# Altium PCB power-v3.2.PcbDoc (part 1 of 3) (continued)
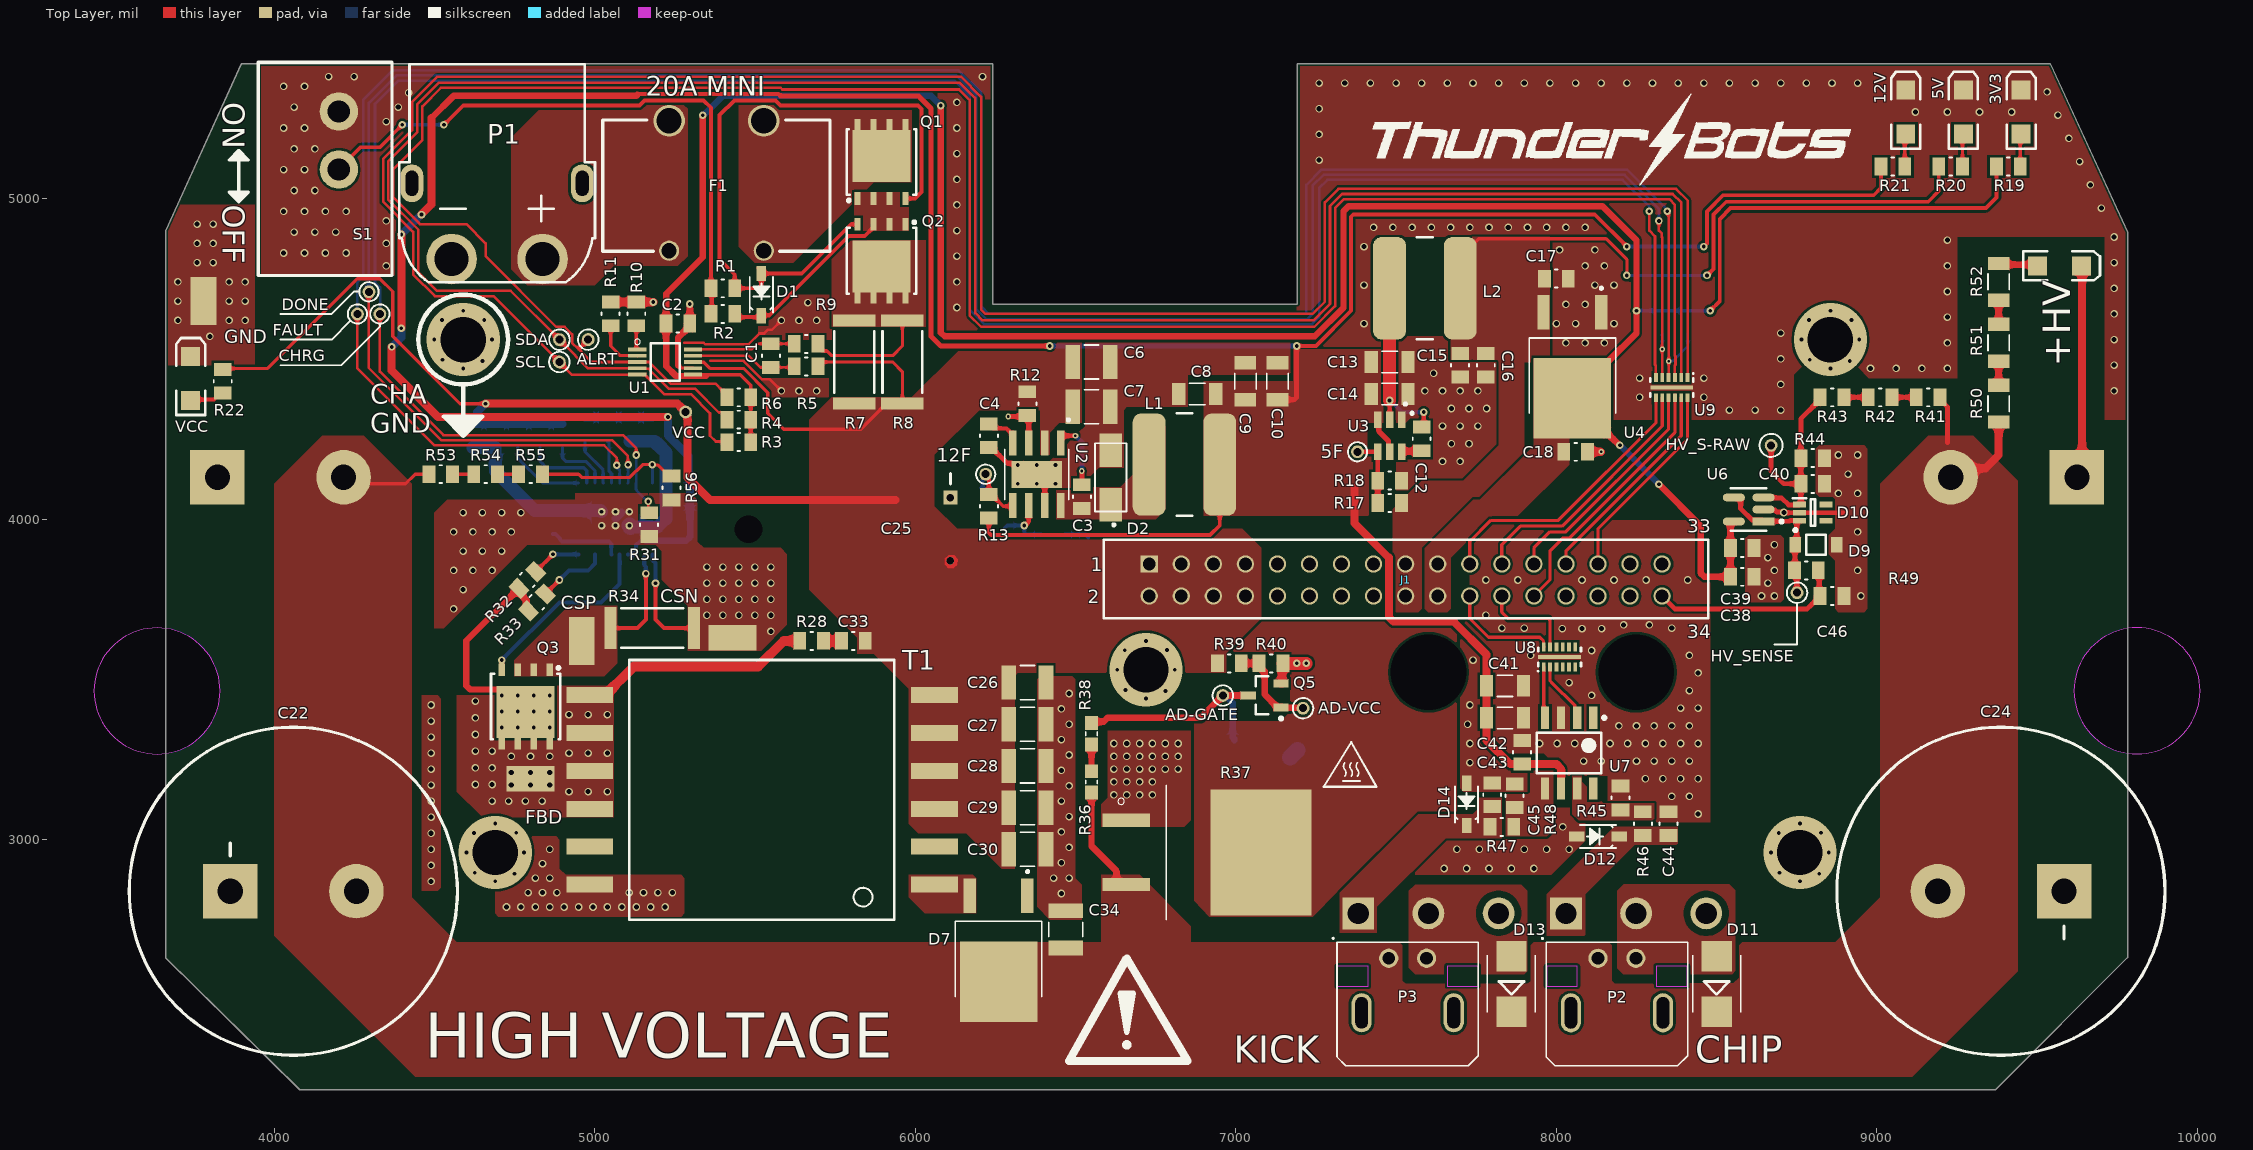
[diagram p0: Top Layer view]
## Design rules (kind name [scope] priority, off if disabled: settings) (continued)
PolygonConnect PolygonConnect_36 [All vs IsNamedPolygon('+HV_L01_P166') Or IsNamedPolygon('+HV_L01_P169') Or IsNamedPolygon('+HV_L01_P187') Or IsNamedPolygon('+HV_L01_P198') Or IsNamedPolygon('+HV_L01_P200') Or IsNamedPolygon('+VBAT_L01_P195') Or IsNamedPolygon('3V3_L01_P175') Or IsNamedPolygon('5V_L01_P173') Or IsNamedPolygon('5V_L01_P174') Or IsNamedPolygon('12V_L01_P172') Or IsNamedPolygon('CHIP_GATE_L01_P206') Or IsNamedPolygon('GND_L01_P165') Or IsNamedPolygon('GND_L01_P176') Or IsNamedPolygon('GND_L01_P178') Or IsNamedPolygon('GND_L01_P183') Or IsNamedPolygon('GND_L01_P185') Or IsNamedPolygon('GND_L01_P190') Or IsNamedPolygon('GND_L01_P196') Or IsNamedPolygon('GND_L01_P204') Or IsNamedPolygon('GND_L01_P208') Or IsNamedPolygon('GND_L01_P212') Or IsNamedPolygon('GND_L01_P213') Or IsNamedPolygon('GND_L01_P214') Or IsNamedPolygon('GND_L01_P218') Or IsNamedPolygon('GND_L01_P218') Or IsNamedPolygon('GND_L01_P219') Or IsNamedPolygon('GND_L01_P220') Or IsNamedPolygon('GND_L01_P225') Or IsNamedPolygon('GND_L01_P226') Or IsNamedPolygon('GND_L01_P219') Or IsNamedPolygon('GND_L01_P224') Or IsNamedPolygon('GND_L01_P237') Or IsNamedPolygon('KICK_GATE_L01_P205') Or IsNamedPolygon('LT_CSP_L01_P171') Or IsNamedPolygon('NETC3_2_L01_P238') Or IsNamedPolygon('NETC44_2_L01_P216') Or IsNamedPolygon('NETC45_2_L01_P219') Or IsNamedPolygon('NETD1_C_L01_P194') Or IsNamedPolygon('NETD7_IN_L01_P182') Or IsNamedPolygon('NETD11_A_L01_P202') Or IsNamedPolygon('NETD13_A_L01_P201') Or IsNamedPolygon('NETF1_1_L01_P192') Or IsNamedPolygon('NETQ3_D_L01_P177') Or IsNamedPolygon('NETQ4_D_L01_P189') Or IsNamedPolygon('NETR36_3_L01_P221') Or IsNamedPolygon('VCC_L01_P170') Or IsNamedPolygon('VCC_L01_P209') Or IsNamedPolygon('VCC_L01_P211') Or IsNamedPolygon('VCC_L01_P239') Or IsNamedPolygon('VCC_RPP_L01_P195') Or IsNamedPolygon('GND_L02_P167') Or IsNamedPolygon('GND_L02_P168') Or IsNamedPolygon('GND_L02_P193') Or IsNamedPolygon('GND_L02_P197') Or IsNamedPolygon('GND_L02_P199') Or IsNamedPolygon('GND_L02_P203') Or IsNamedPolygon('NETD8_C_L02_P186')] p8: connectstyle=Direct reliefconductorwidth=10 reliefentries=4 polygonreliefangle="90 Angle" airgapwidth=10
PolygonConnect PolygonConnect_35 [All vs IsNamedPolygon('3V3_L01_P235') Or IsNamedPolygon('GND_L01_P219') Or IsNamedPolygon('GND_L01_P224')] p9: connectstyle=Direct reliefconductorwidth=10 reliefentries=4 polygonreliefangle="90 Angle" airgapwidth=10
PolygonConnect PolygonConnect_34 [All vs IsNamedPolygon('3V3_L01_P232') Or IsNamedPolygon('GND_L01_P230') Or IsNamedPolygon('GND_L01_P231') Or IsNamedPolygon('HV-SENSE_L01_P233')] p10: connectstyle=Direct reliefconductorwidth=10 reliefentries=4 polygonreliefangle="90 Angle" airgapwidth=10
PolygonConnect PolygonConnect_33 [All vs IsNamedPolygon('GND_L01_P230')] p11: connectstyle=Direct reliefconductorwidth=10 reliefentries=4 polygonreliefangle="90 Angle" airgapwidth=10
PolygonConnect PolygonConnect_32 [All vs IsNamedPolygon('GND_L01_P226')] p12: connectstyle=Direct reliefconductorwidth=10 reliefentries=4 polygonreliefangle="90 Angle" airgapwidth=10
PolygonConnect PolygonConnect_31 [All vs IsNamedPolygon('+HV_L01_P166') Or IsNamedPolygon('+HV_L01_P169') Or IsNamedPolygon('+HV_L01_P187') Or IsNamedPolygon('+HV_L01_P198') Or IsNamedPolygon('+HV_L01_P200') Or IsNamedPolygon('+VBAT_L01_P195') Or IsNamedPolygon('3V3_L01_P175') Or IsNamedPolygon('5V_L01_P173') Or IsNamedPolygon('5V_L01_P174') Or IsNamedPolygon('12V_L01_P172') Or IsNamedPolygon('CHIP_GATE_L01_P206') Or IsNamedPolygon('GND_L01_P165') Or IsNamedPolygon('GND_L01_P176') Or IsNamedPolygon('GND_L01_P178') Or IsNamedPolygon('GND_L01_P180') Or IsNamedPolygon('GND_L01_P183') Or IsNamedPolygon('GND_L01_P185') Or IsNamedPolygon('GND_L01_P190') Or IsNamedPolygon('GND_L01_P196') Or IsNamedPolygon('GND_L01_P204') Or IsNamedPolygon('GND_L01_P207') Or IsNamedPolygon('GND_L01_P208') Or IsNamedPolygon('GND_L01_P212') Or IsNamedPolygon('GND_L01_P213') Or IsNamedPolygon('GND_L01_P214') Or IsNamedPolygon('GND_L01_P218') Or IsNamedPolygon('KICK_GATE_L01_P205') Or IsNamedPolygon('LT_CSP_L01_P171') Or IsNamedPolygon('NETC3_2_L01_P181') Or IsNamedPolygon('NETC3_2_L01_P210') Or IsNamedPolygon('NETC44_2_L01_P216') Or IsNamedPolygon('NETC45_2_L01_P219') Or IsNamedPolygon('NETD1_C_L01_P194') Or IsNamedPolygon('NETD7_IN_L01_P182') Or IsNamedPolygon('NETD11_A_L01_P202') Or IsNamedPolygon('NETD13_A_L01_P201') Or IsNamedPolygon('NETF1_1_L01_P192') Or IsNamedPolygon('NETQ3_D_L01_P177') Or IsNamedPolygon('NETQ4_D_L01_P189') Or IsNamedPolygon('NETR36_3_L01_P221') Or IsNamedPolygon('VCC_L01_P170') Or IsNamedPolygon('VCC_L01_P179') Or IsNamedPolygon('VCC_L01_P209') Or IsNamedPolygon('VCC_L01_P211') Or IsNamedPolygon('VCC_RPP_L01_P195') Or IsNamedPolygon('GND_L02_P167') Or IsNamedPolygon('GND_L02_P168') Or IsNamedPolygon('GND_L02_P193') Or IsNamedPolygon('GND_L02_P197') Or IsNamedPolygon('GND_L02_P199') Or IsNamedPolygon('GND_L02_P203') Or IsNamedPolygon('NETD8_C_L02_P186')] p13: connectstyle=Direct reliefconductorwidth=10 reliefentries=4 polygonreliefangle="90 Angle" airgapwidth=10
PolygonConnect PolygonConnect_30 [All vs IsNamedPolygon('+HV_L01_P166') Or IsNamedPolygon('+HV_L01_P169') Or IsNamedPolygon('+HV_L01_P187') Or IsNamedPolygon('+HV_L01_P200') Or IsNamedPolygon('+HV_L01_P200') Or IsNamedPolygon('+VBAT_L01_P195') Or IsNamedPolygon('3V3_L01_P175') Or IsNamedPolygon('5V_L01_P173') Or IsNamedPolygon('5V_L01_P174') Or IsNamedPolygon('12V_L01_P172') Or IsNamedPolygon('CHIP_GATE_L01_P207') Or IsNamedPolygon('GND_L01_P165') Or IsNamedPolygon('GND_L01_P176') Or IsNamedPolygon('GND_L01_P178') Or IsNamedPolygon('GND_L01_P180') Or IsNamedPolygon('GND_L01_P183') Or IsNamedPolygon('GND_L01_P185') Or IsNamedPolygon('GND_L01_P190') Or IsNamedPolygon('GND_L01_P196') Or IsNamedPolygon('GND_L01_P205') Or IsNamedPolygon('GND_L01_P207') Or IsNamedPolygon('GND_L01_P209') Or IsNamedPolygon('GND_L01_P213') Or IsNamedPolygon('GND_L01_P213') Or IsNamedPolygon('GND_L01_P215') Or IsNamedPolygon('GND_L01_P216') Or IsNamedPolygon('GND_L01_P217') Or IsNamedPolygon('KICK_GATE_L01_P206') Or IsNamedPolygon('LT_CSP_L01_P171') Or IsNamedPolygon('NETC3_2_L01_P181') Or IsNamedPolygon('NETC3_2_L01_P210') Or IsNamedPolygon('NETC44_2_L01_P184') Or IsNamedPolygon('NETC45_2_L01_P188') Or IsNamedPolygon('NETD1_C_L01_P194') Or IsNamedPolygon('NETD7_IN_L01_P182') Or IsNamedPolygon('NETD11_A_L01_P204') Or IsNamedPolygon('NETD13_A_L01_P202') Or IsNamedPolygon('NETF1_1_L01_P192') Or IsNamedPolygon('NETQ3_D_L01_P177') Or IsNamedPolygon('NETQ4_D_L01_P189') Or IsNamedPolygon('NETR36_3_L01_P198') Or IsNamedPolygon('VCC_L01_P170') Or IsNamedPolygon('VCC_L01_P179') Or IsNamedPolygon('VCC_L01_P209') Or IsNamedPolygon('VCC_L01_P212') Or IsNamedPolygon('VCC_RPP_L01_P195') Or IsNamedPolygon('GND_L02_P167') Or IsNamedPolygon('GND_L02_P168') Or IsNamedPolygon('GND_L02_P193') Or IsNamedPolygon('GND_L02_P197') Or IsNamedPolygon('GND_L02_P199') Or IsNamedPolygon('GND_L02_P203') Or IsNamedPolygon('NETD8_C_L02_P186')] p14: connectstyle=Direct reliefconductorwidth=10 reliefentries=4 polygonreliefangle="90 Angle" airgapwidth=10
PolygonConnect PolygonConnect_29 [All vs IsNamedPolygon('GND_L01_P165') Or IsNamedPolygon('+HV_L01_P166') Or IsNamedPolygon('+HV_L01_P169') Or IsNamedPolygon('VCC_L01_P170') Or IsNamedPolygon('LT_CSP_L01_P171') Or IsNamedPolygon('GND_L01_P172') Or IsNamedPolygon('NETQ3_D_L01_P177') Or IsNamedPolygon('12V_L01_P174') Or IsNamedPolygon('GND_L01_P175') Or IsNamedPolygon('5V_L01_P176') Or IsNamedPolygon('5V_L01_P177') Or IsNamedPolygon('3V3_L01_P178') Or IsNamedPolygon('VCC_L01_P179') Or IsNamedPolygon('GND_L01_P180') Or IsNamedPolygon('NETC3_2_L01_P181') Or IsNamedPolygon('NETD7_IN_L01_P182') Or IsNamedPolygon('GND_L01_P183') Or IsNamedPolygon('NETC44_2_L01_P184') Or IsNamedPolygon('GND_L01_P185') Or IsNamedPolygon('+HV_L01_P187') Or IsNamedPolygon('NETC45_2_L01_P188') Or IsNamedPolygon('NETQ4_D_L01_P189') Or IsNamedPolygon('GND_L01_P190') Or IsNamedPolygon('+VBAT_L01_P195') Or IsNamedPolygon('NETF1_1_L01_P192') Or IsNamedPolygon('NETD1_C_L01_P194') Or IsNamedPolygon('VCC_RPP_L01_P195') Or IsNamedPolygon('GND_L01_P196') Or IsNamedPolygon('NETR36_3_L01_P198') Or IsNamedPolygon('+HV_L01_P200') Or IsNamedPolygon('+HV_L01_P200') Or IsNamedPolygon('NETD13_A_L01_P202') Or IsNamedPolygon('NETD11_A_L01_P204') Or IsNamedPolygon('GND_L01_P205') Or IsNamedPolygon('KICK_GATE_L01_P206') Or IsNamedPolygon('CHIP_GATE_L01_P207') Or IsNamedPolygon('GND_L01_P207') Or IsNamedPolygon('GND_L01_P209') Or IsNamedPolygon('VCC_L01_P209') Or IsNamedPolygon('NETC3_2_L01_P210') Or IsNamedPolygon('VCC_L01_P212') Or IsNamedPolygon('GND_L01_P213') Or IsNamedPolygon('GND_L01_P213') Or IsNamedPolygon('GND_L01_P215') Or IsNamedPolygon('GND_L01_P216') Or IsNamedPolygon('GND_L01_P217') Or IsNamedPolygon('GND_L02_P167') Or IsNamedPolygon('GND_L02_P168') Or IsNamedPolygon('NETD8_C_L02_P186') Or IsNamedPolygon('GND_L02_P193') Or IsNamedPolygon('GND_L02_P197') Or IsNamedPolygon('GND_L02_P199') Or IsNamedPolygon('GND_L02_P203')] p15: connectstyle=Direct reliefconductorwidth=10 reliefentries=4 polygonreliefangle="90 Angle" airgapwidth=10
PolygonConnect PolygonConnect_28 [All vs IsNamedPolygon('GND_L01_P157')] p16: connectstyle=Direct reliefconductorwidth=10 reliefentries=4 polygonreliefangle="90 Angle" airgapwidth=10
PolygonConnect PolygonConnect_27 [All vs IsNamedPolygon('VCC_L01_P156')] p17: connectstyle=Direct reliefconductorwidth=10 reliefentries=4 polygonreliefangle="90 Angle" airgapwidth=10
PolygonConnect PolygonConnect_26 [All vs IsNamedPolygon('+HV_L01_P108') Or IsNamedPolygon('+HV_L01_P111') Or IsNamedPolygon('+HV_L01_P127') Or IsNamedPolygon('+HV_L01_P141') Or IsNamedPolygon('+HV_L01_P140') Or IsNamedPolygon('+VBAT_L01_P133') Or IsNamedPolygon('3V3_L01_P119') Or IsNamedPolygon('5V_L01_P117') Or IsNamedPolygon('5V_L01_P118') Or IsNamedPolygon('12V_L01_P115') Or IsNamedPolygon('CHIP_GATE_L01_P149') Or IsNamedPolygon('GND_L01_P107') Or IsNamedPolygon('GND_L01_P116') Or IsNamedPolygon('GND_L01_P121') Or IsNamedPolygon('GND_L01_P125') Or IsNamedPolygon('GND_L01_P127') Or IsNamedPolygon('GND_L01_P132') Or IsNamedPolygon('GND_L01_P137') Or IsNamedPolygon('GND_L01_P146') Or IsNamedPolygon('GND_L01_P147') Or IsNamedPolygon('GND_L01_P151') Or IsNamedPolygon('GND_L01_P152') Or IsNamedPolygon('KICK_GATE_L01_P148') Or IsNamedPolygon('LT_CSP_L01_P113') Or IsNamedPolygon('NETC3_2_L01_P123') Or IsNamedPolygon('NETC3_2_L01_P155') Or IsNamedPolygon('NETC44_2_L01_P126') Or IsNamedPolygon('NETC45_2_L01_P129') Or IsNamedPolygon('NETD1_C_L01_P134') Or IsNamedPolygon('NETD7_IN_L01_P124') Or IsNamedPolygon('NETD11_A_L01_P142') Or IsNamedPolygon('NETD13_A_L01_P144') Or IsNamedPolygon('NETF1_1_L01_P133') Or IsNamedPolygon('NETQ3_D_L01_P114') Or IsNamedPolygon('NETQ4_D_L01_P130') Or IsNamedPolygon('NETR36_3_L01_P140') Or IsNamedPolygon('VCC_L01_P112') Or IsNamedPolygon('VCC_L01_P120') Or IsNamedPolygon('VCC_L01_P154') Or IsNamedPolygon('VCC_RPP_L01_P136') Or IsNamedPolygon('GND_L02_P109') Or IsNamedPolygon('GND_L02_P110') Or IsNamedPolygon('GND_L02_P135') Or IsNamedPolygon('GND_L02_P138') Or IsNamedPolygon('GND_L02_P139') Or IsNamedPolygon('GND_L02_P142') Or IsNamedPolygon('NETD8_C_L02_P128')] p18: connectstyle=Direct reliefconductorwidth=10 reliefentries=4 polygonreliefangle="90 Angle" airgapwidth=10
PolygonConnect PolygonConnect_25 [All vs IsNamedPolygon('GND_L01_P155')] p19: connectstyle=Direct reliefconductorwidth=10 reliefentries=4 polygonreliefangle="90 Angle" airgapwidth=10
PolygonConnect PolygonConnect_24 [All vs IsNamedPolygon('NETC3_2_L01_P154')] p20: connectstyle=Direct reliefconductorwidth=10 reliefentries=4 polygonreliefangle="90 Angle" airgapwidth=10
PolygonConnect PolygonConnect_23 [All vs IsNamedPolygon('VCC_L01_P152')] p21: connectstyle=Direct reliefconductorwidth=10 reliefentries=4 polygonreliefangle="90 Angle" airgapwidth=10
PolygonConnect PolygonConnect_22 [All vs IsNamedPolygon('+HV_L01_P107') Or IsNamedPolygon('+HV_L01_P108') Or IsNamedPolygon('+HV_L01_P126') Or IsNamedPolygon('+HV_L01_P140') Or IsNamedPolygon('+HV_L01_P141') Or IsNamedPolygon('+VBAT_L01_P133') Or IsNamedPolygon('3V3_L01_P118') Or IsNamedPolygon('5V_L01_P116') Or IsNamedPolygon('5V_L01_P117') Or IsNamedPolygon('12V_L01_P114') Or IsNamedPolygon('CHIP_GATE_L01_P148') Or IsNamedPolygon('GND_L01_P115') Or IsNamedPolygon('GND_L01_P120') Or IsNamedPolygon('GND_L01_P123') Or IsNamedPolygon('GND_L01_P125') Or IsNamedPolygon('GND_L01_P130') Or IsNamedPolygon('GND_L01_P136') Or IsNamedPolygon('GND_L01_P145') Or IsNamedPolygon('GND_L01_P146') Or IsNamedPolygon('GND_L01_P149') Or IsNamedPolygon('GND_L01_P151') Or IsNamedPolygon('KICK_GATE_L01_P147') Or IsNamedPolygon('LT_CSP_L01_P112') Or IsNamedPolygon('NETC3_2_L01_P121') Or IsNamedPolygon('NETC44_2_L01_P124') Or IsNamedPolygon('NETC45_2_L01_P127') Or IsNamedPolygon('NETD1_C_L01_P133') Or IsNamedPolygon('NETD7_IN_L01_P122') Or IsNamedPolygon('NETD11_A_L01_P144') Or IsNamedPolygon('NETD13_A_L01_P143') Or IsNamedPolygon('NETF1_1_L01_P132') Or IsNamedPolygon('NETQ3_D_L01_P113') Or IsNamedPolygon('NETQ4_D_L01_P129') Or IsNamedPolygon('NETR36_3_L01_P137') Or IsNamedPolygon('VCC_L01_P111') Or IsNamedPolygon('VCC_L01_P119') Or IsNamedPolygon('VCC_RPP_L01_P134') Or IsNamedPolygon('GND_L02_P109') Or IsNamedPolygon('GND_L02_P110') Or IsNamedPolygon('GND_L02_P135') Or IsNamedPolygon('GND_L02_P138') Or IsNamedPolygon('GND_L02_P139') Or IsNamedPolygon('GND_L02_P142') Or IsNamedPolygon('NETD8_C_L02_P128')] p22: connectstyle=Direct reliefconductorwidth=10 reliefentries=4 polygonreliefangle="90 Angle" airgapwidth=10
PolygonConnect PolygonConnect_21 [All vs IsNamedPolygon('+HV_L01_P024') Or IsNamedPolygon('+HV_L01_P026') Or IsNamedPolygon('+HV_L01_P077') Or IsNamedPolygon('+HV_L01_P089') Or IsNamedPolygon('+HV_L01_P094') Or IsNamedPolygon('+VBAT_L01_P084') Or IsNamedPolygon('3V3_L01_P064') Or IsNamedPolygon('5V_L01_P062') Or IsNamedPolygon('5V_L01_P063') Or IsNamedPolygon('12V_L01_P060') Or IsNamedPolygon('GND_L01_P061') Or IsNamedPolygon('GND_L01_P067') Or IsNamedPolygon('GND_L01_P077') Or IsNamedPolygon('GND_L01_P077') Or IsNamedPolygon('GND_L01_P083') Or IsNamedPolygon('GND_L01_P086') Or IsNamedPolygon('GND_L01_P100') Or IsNamedPolygon('GND_L01_P101') Or IsNamedPolygon('LT_CSP_L01_P053') Or IsNamedPolygon('NETC3_2_L01_P068') Or IsNamedPolygon('NETD1_C_L01_P084') Or IsNamedPolygon('NETD7_IN_L01_P071') Or IsNamedPolygon('NETD11_A_L01_P101') Or IsNamedPolygon('NETD13_A_L01_P093') Or IsNamedPolygon('NETF1_1_L01_P083') Or IsNamedPolygon('NETQ3_D_L01_P054') Or IsNamedPolygon('NETQ4_D_L01_P078') Or IsNamedPolygon('NETR36_3_L01_P087') Or IsNamedPolygon('VCC_L01_P052') Or IsNamedPolygon('VCC_L01_P066') Or IsNamedPolygon('VCC_RPP_L01_P085') Or IsNamedPolygon('GND_L02_P027') Or IsNamedPolygon('GND_L02_P029') Or IsNamedPolygon('GND_L02_P088') Or IsNamedPolygon('GND_L02_P091') Or IsNamedPolygon('GND_L02_P092') Or IsNamedPolygon('GND_L02_P095') Or IsNamedPolygon('NETD8_C_L02_P081')] p23: connectstyle=Direct reliefconductorwidth=10 reliefentries=4 polygonreliefangle="90 Angle" airgapwidth=10
PolygonConnect PolygonConnect_20 [All vs IsNamedPolygon('+VBAT_L01_P084')] p24: connectstyle=Direct reliefconductorwidth=10 reliefentries=4 polygonreliefangle="90 Angle" airgapwidth=10
PolygonConnect PolygonConnect_19 [All vs IsNamedPolygon('+HV_L01_P024') Or IsNamedPolygon('+HV_L01_P026') Or IsNamedPolygon('+HV_L01_P077') Or IsNamedPolygon('3V3_L01_P064') Or IsNamedPolygon('5V_L01_P062') Or IsNamedPolygon('5V_L01_P063') Or IsNamedPolygon('12V_L01_P060') Or IsNamedPolygon('GND_L01_P061') Or IsNamedPolygon('GND_L01_P067') Or IsNamedPolygon('GND_L01_P069') Or IsNamedPolygon('GND_L01_P073') Or IsNamedPolygon('GND_L01_P077') Or IsNamedPolygon('GND_L01_P077') Or IsNamedPolygon('GND_L01_P083') Or IsNamedPolygon('LT_CSP_L01_P053') Or IsNamedPolygon('NETC3_2_L01_P068') Or IsNamedPolygon('NETD7_IN_L01_P071') Or IsNamedPolygon('NETD8_2_L01_P078') Or IsNamedPolygon('NETQ3_D_L01_P054') Or IsNamedPolygon('VCC_L01_P052') Or IsNamedPolygon('VCC_L01_P066') Or IsNamedPolygon('GND_L02_P027') Or IsNamedPolygon('GND_L02_P029') Or IsNamedPolygon('GND_L02_P079') Or IsNamedPolygon('NETD9_C_L02_P081')] p25: connectstyle=Direct reliefconductorwidth=10 reliefentries=4 polygonreliefangle="90 Angle" airgapwidth=10
PolygonConnect PolygonConnect_18 [All vs IsNamedPolygon('+HV_L01_P024') Or IsNamedPolygon('+HV_L01_P026') Or IsNamedPolygon('3V3_L01_P064') Or IsNamedPolygon('5V_L01_P062') Or IsNamedPolygon('5V_L01_P063') Or IsNamedPolygon('12V_L01_P060') Or IsNamedPolygon('GND_L01_P061') Or IsNamedPolygon('LT_CSP_L01_P053') Or IsNamedPolygon('NETQ3_D_L01_P054') Or IsNamedPolygon('VCC_L01_P052') Or IsNamedPolygon('GND_L02_P027') Or IsNamedPolygon('GND_L02_P029')] p26: connectstyle=Direct reliefconductorwidth=10 reliefentries=4 polygonreliefangle="90 Angle" airgapwidth=10
PolygonConnect PolygonConnect_17 [All vs IsNamedPolygon('+HV_L01_P024') Or IsNamedPolygon('+HV_L01_P026')] p27: connectstyle=Direct reliefconductorwidth=10 reliefentries=4 polygonreliefangle="90 Angle" airgapwidth=10
PolygonConnect PolygonConnect_16 [All vs IsNamedPolygon('12V_L01_P037') Or IsNamedPolygon('GND_L01_P032') Or IsNamedPolygon('GND_L01_P036') Or IsNamedPolygon('NONET_L01_P038') Or IsNamedPolygon('NONET_L01_P033') Or IsNamedPolygon('GND_L01_P20') Or IsNamedPolygon('NONET_L01_P048') Or IsNamedPolygon('NONET_L01_P044') Or IsNamedPolygon('NONET_L01_P047') Or IsNamedPolygon('NONET_L01_P046') Or IsNamedPolygon('NONET_L01_P045') Or IsNamedPolygon('NONET_L02_P049') Or IsNamedPolygon('NONET_L01_P050')] p28: connectstyle=Direct reliefconductorwidth=10 reliefentries=4 polygonreliefangle="90 Angle" airgapwidth=10
PolygonConnect PolygonConnect_15 [All vs IsNamedPolygon('NONET_L01_P024') Or IsNamedPolygon('NONET_L01_P026') Or IsNamedPolygon('+VBAT_L01_P018') Or IsNamedPolygon('GND_L01_P015') Or IsNamedPolygon('GND_L01_P016') Or IsNamedPolygon('LT_CSP_L01_P013') Or IsNamedPolygon('NETD1_C_L01_P020') Or IsNamedPolygon('NETD7_IN_L01_P023') Or IsNamedPolygon('NETF1_3_L01_P019') Or IsNamedPolygon('NETQ3_D_L01_P008') Or IsNamedPolygon('VCC_L01_P022') Or IsNamedPolygon('VCC_RPP_L01_P021') Or IsNamedPolygon('NONET_L02_P027') Or IsNamedPolygon('NONET_L02_P029')] p29: connectstyle=Direct reliefconductorwidth=10 reliefentries=4 polygonreliefangle="90 Angle" airgapwidth=10
PolygonConnect PolygonConnect_14 [All vs IsNamedPolygon('NONET_L01_P024') Or IsNamedPolygon('+VBAT_L01_P018') Or IsNamedPolygon('GND_L01_P015') Or IsNamedPolygon('GND_L01_P016') Or IsNamedPolygon('NETD1_C_L01_P020') Or IsNamedPolygon('NETD7_IN_L01_P023') Or IsNamedPolygon('NETF1_3_L01_P019') Or IsNamedPolygon('NETQ3_D_L01_P008') Or IsNamedPolygon('NETQ3_S_L01_P013') Or IsNamedPolygon('NONET_L01_P026') Or IsNamedPolygon('VCC_L01_P022') Or IsNamedPolygon('VCC_RPP_L01_P021') Or IsNamedPolygon('NONET_L02_P027') Or IsNamedPolygon('NONET_L02_P028')] p30: connectstyle=Direct reliefconductorwidth=10 reliefentries=4 polygonreliefangle="90 Angle" airgapwidth=10
PolygonConnect PolygonConnect_13 [All vs IsNamedPolygon('+VBAT_L01_P018') Or IsNamedPolygon('GND_L01_P015') Or IsNamedPolygon('GND_L01_P016') Or IsNamedPolygon('NETD1_C_L01_P020') Or IsNamedPolygon('NETF1_3_L01_P019') Or IsNamedPolygon('NETQ3_D_L01_P008') Or IsNamedPolygon('NETQ3_S_L01_P013') Or IsNamedPolygon('VCC_L01_P022') Or IsNamedPolygon('VCC_RPP_L01_P021')] p31: connectstyle=Direct reliefconductorwidth=10 reliefentries=4 polygonreliefangle="90 Angle" airgapwidth=10
PolygonConnect PolygonConnect_12 [All vs IsNamedPolygon('+VBAT_L01_P002') Or IsNamedPolygon('GND_L01_P014') Or IsNamedPolygon('GND_L01_P015') Or IsNamedPolygon('GND_L01_P016') Or IsNamedPolygon('NETD1_C_L01_P004') Or IsNamedPolygon('NETF1_3_L01_P017') Or IsNamedPolygon('NETP1_1_L01_P000') Or IsNamedPolygon('NETQ3_D_L01_P008') Or IsNamedPolygon('NETQ3_S_L01_P013') Or IsNamedPolygon('VCC_L01_P012') Or IsNamedPolygon('VCC_RPP_L01_P011')] p32: connectstyle=Direct reliefconductorwidth=10 reliefentries=4 polygonreliefangle="90 Angle" airgapwidth=10
PolygonConnect PolygonConnect_11 [All vs IsNamedPolygon('+VBAT_L01_P002') Or IsNamedPolygon('GND_L01_P014') Or IsNamedPolygon('GND_L01_P015') Or IsNamedPolygon('GND_L01_P016') Or IsNamedPolygon('NETD1_C_L01_P004') Or IsNamedPolygon('NETF1_3_L01_P006') Or IsNamedPolygon('NETP1_1_L01_P000') Or IsNamedPolygon('NETQ3_D_L01_P008') Or IsNamedPolygon('NETQ3_S_L01_P013') Or IsNamedPolygon('VCC_L01_P012') Or IsNamedPolygon('VCC_RPP_L01_P011')] p33: connectstyle=Direct reliefconductorwidth=10 reliefentries=4 polygonreliefangle="90 Angle" airgapwidth=10
PolygonConnect PolygonConnect_10 [All vs IsNamedPolygon('+VBAT_L01_P002')] p34: connectstyle=Direct reliefconductorwidth=10 reliefentries=4 polygonreliefangle="90 Angle" airgapwidth=10
PolygonConnect PolygonConnect_9 [All vs IsNamedPolygon('+VBAT_L01_P002') Or IsNamedPolygon('GND_L01_P014') Or IsNamedPolygon('GND_L01_P015') Or IsNamedPolygon('NETD1_C_L01_P004') Or IsNamedPolygon('NETF1_3_L01_P006') Or IsNamedPolygon('NETP1_1_L01_P000') Or IsNamedPolygon('NETQ3_D_L01_P008') Or IsNamedPolygon('NETQ3_S_L01_P013') Or IsNamedPolygon('VCC_L01_P012') Or IsNamedPolygon('VCC_RPP_L01_P011')] p35: connectstyle=Direct reliefconductorwidth=10 reliefentries=4 polygonreliefangle="90 Angle" airgapwidth=10
PolygonConnect PolygonConnect_8 [All vs IsNamedPolygon('NETQ3_S_L01_P013')] p36: connectstyle=Direct reliefconductorwidth=10 reliefentries=4 polygonreliefangle="90 Angle" airgapwidth=10
PolygonConnect PolygonConnect_7 [All vs IsNamedPolygon('+VBAT_L01_P002') Or IsNamedPolygon('NETD1_C_L01_P004') Or IsNamedPolygon('NETF1_3_L01_P006') Or IsNamedPolygon('NETP1_1_L01_P000') Or IsNamedPolygon('NETQ3_D_L01_P008') Or IsNamedPolygon('VCC_L01_P012') Or IsNamedPolygon('VCC_RPP_L01_P011')] p37: connectstyle=Direct reliefconductorwidth=10 reliefentries=4 polygonreliefangle="90 Angle" airgapwidth=10
PolygonConnect PolygonConnect_6 [All vs IsNamedPolygon('+VBAT_L01_P002') Or IsNamedPolygon('NETD1_C_L01_P004') Or IsNamedPolygon('NETF1_3_L01_P006') Or IsNamedPolygon('NETP1_1_L01_P000') Or IsNamedPolygon('VCC_RPP_L01_P005')] p38: connectstyle=Direct reliefconductorwidth=10 reliefentries=4 polygonreliefangle="90 Angle" airgapwidth=10
PolygonConnect PolygonConnect_5 [All vs IsNamedPolygon('NETD1_C_L01_P004')] p39: connectstyle=Direct reliefconductorwidth=10 reliefentries=4 polygonreliefangle="90 Angle" airgapwidth=10
PolygonConnect PolygonConnect_4 [All vs IsNamedPolygon('NETD1_C_L01_P004')] p40: connectstyle=Direct reliefconductorwidth=10 reliefentries=4 polygonreliefangle="90 Angle" airgapwidth=10
PolygonConnect PolygonConnect_3 [All vs IsNamedPolygon('+VBAT_L01_P002')] p41: connectstyle=Direct reliefconductorwidth=10 reliefentries=4 polygonreliefangle="90 Angle" airgapwidth=10
PolygonConnect PolygonConnect_2 [All vs IsNamedPolygon('+VBAT_L01_P002')] p42: connectstyle=Direct reliefconductorwidth=10 reliefentries=4 polygonreliefangle="90 Angle" airgapwidth=10
PolygonConnect [All vs IsNamedPolygon('NETP1_1_L01_P000')] p43: connectstyle=Direct reliefconductorwidth=10 reliefentries=4 polygonreliefangle="90 Angle" airgapwidth=10
PolygonConnect PolygonConnect_1 [All] p44: thpad.connectstyle=Relief thpad.reliefconductorwidth=20 thpad.reliefentries=4 thpad.polygonreliefangle="90 Angle" thpad.airgapwidth=10 smdpad.connectstyle=Relief smdpad.reliefconductorwidth=20 smdpad.reliefentries=4 smdpad.polygonreliefangle="90 Angle" smdpad.airgapwidth=10 via.connectstyle=Direct via.reliefconductorwidth=20 via.reliefentries=4 via.polygonreliefangle="90 Angle" via.airgapwidth=10
RoutingCorners [All] p1: cornerstyle=Round minsetback=100 maxsetback=100
RoutingVias [All] p1: holewidth=19.68 width=39.37 viastyle="Through Hole" minholewidth=7.87 minwidth=17.72 maxholewidth=39.37 maxwidth=78.74
SilkToSilkClearance [All] p1: silktosilkclearance=3.94
SilkToSolderMaskClearance [IsPad] p1: minsilkscreentomaskgap=3.94 clearancetoexposedcopper=TRUE
SolderMaskExpansion [All] p1: expansion=4 istentingtop=FALSE
Width [All] p1: maxlimit=100 minlimit=3.5 preferedwidth=15
25 further rules are at their usual default settings.

## Classes and differential pairs
component class "Power Regulation": 3V3 5F 5V 12F 12V C3 C4 C5 C6 C8 C10 C12 C13 C14 C15 C16 C17 C18 D2 L1 L2 R12 R13 R14 R15 R16 R17 R18 R19 R20 R21 R22 U2 U3 U4
component class "Power Input": ALRT C1 C2 D1 F1 GND P1 Q1 Q2 R1 R2 R3 R4 R5 R6 R7 R8 R9 R10 R11 S1 SCL SDA U1
component class "Kicker and Chipper": C41 C42 C43 C44 C45 D11 D12 D13 D14 P2 P3 Q6 Q7 R45 R46 R47 R48 U7
component class HV-Measurement: C38 C39 C40 D9 D10 "HV Sense" HV_S-RAW R41 R42 R43 R44 U6
component class "Flyback Converter": +HV C19 C20 C21 C22 C23 C24 C26 C27 C28 C29 C30 C31 C32 C33 C34 C35 C36 C37 CHRG CSN CSP D7 DONE FBD Q3 R23 R24 R25 R26 R27 R28 R29 R30 R31 R32 R33 R34 R35 R50 R51 R52 R53 R54 R55 R56 T1 U5
component class "Connections and Communications": C46 J1 R49 U8 U9
component class "Auto Discharge": AD-GATE AD-VCC D8 Q4 Q5 R36 R37 R38 R39 R40

## Components (designator, comment, footprint, x,y, rotation, side; value= is the part's Value field where it differs from the comment)
3V3 "LED2" 3.2X1.6X1.1 9450,5270 r90 top (schematic designator D3)
5F "Test Point (Via)" TP 7380,4210 r90 top (schematic designator TP6)
5V "LED2" 3.2X1.6X1.1 9270,5270 r90 top (schematic designator D4)
12F "Test Point (Via)" TP 6220,4140 r90 top (schematic designator TP5)
12V "LED2" 3.2X1.6X1.1 9090,5270 r90 top (schematic designator D5)
+HV "LED2" 3.2X1.6X1.1 9570,4790 r0 top (schematic designator D15)
AD-GATE "Test Point (Via)" TP 6959.64,3449.64 r90 top (schematic designator TP14)
AD-VCC "Test Point (Via)" TP 7210,3410 r90 top (schematic designator TP15)
ALRT "Test Point (Via)" TP 4980,4560 r90 top (schematic designator TP4)
C1 "100nF 50V" 0805 5550,4510 r270 top value=100nF
C2 "100nF 50V" 0805 5260,4610 r180 top value=100nF
C3 "100nF 50V" 0805 6520,4070 r270 top value=100nF
C4 "8.2nF 50V" 0805 6230,4260 r90 top value=8.2nF
C5 "10pF" 0805 6280,4010 r270 bottom
C6 "10uF 50V" 1210 6550,4490 r180 top value=10uF
C7 "10uF 50V" 1210 6550,4350 r180 top value=10uF
C8 "10UF 25V" 1206 6880,4390 r0 top value=10uF
C9 "10UF 25V" 1206 7030,4430 r270 top value=10uF
C10 "10UF 25V" 1206 7130,4430 r270 top value=10uF
C11 "2700pF 50V" 0805 6570,3950 r180 bottom value=2700pF
C12 "100nF 50V" 0805 7580,4250 r90 top value=100nF
C13 "10UF 25V" 1206 7480,4490 r180 top value=10uF
C14 "10UF 25V" 1206 7480,4390 r180 top value=10uF
C15 "22uF 10V" 0805 7700,4480 r90 top value=22uF
C16 "22uF 10V" 0805 7780,4480 r90 top value=22uF
C17 "4.7uF" 0805 8000,4750 r0 top
C18 "4.7uF" 0805 8060,4210 r0 top
C19 "10uF" 0805 5110,4280 r90 bottom
C20 "0.10uF" 0805 5180,4280 r90 bottom
C21 "1000uF 250V" "RADIAL, CAN - THRU 25.4mm" 3823.28,4130.5 r0 bottom locked
C22 "1000uF 250V" "RADIAL, CAN - THRU 25.4mm" 3863.28,2839.25 r0 top locked
C23 "1000uF 250V" "RADIAL, CAN - THRU 25.4mm" 9623.81,4130.5 r180 bottom locked
C24 "1000uF 250V" "RADIAL, CAN - THRU 25.4mm" 9583.81,2839.25 r180 top locked
C25 "680uF" "RADIAL, CAN - THRU 10mm - RIGHTANGLE" 6110,3968.43 r270 top
C26 "10uF" 1210 6350,3490 r180 top
C27 "10uF" 1210 6350,3360 r180 top
C28 "10uF" 1210 6350,3230 r180 top
C29 "10uF" 1210 6350,3100 r180 top
C30 "10uF" 1210 6350,2970 r180 top
C31 "10uF" 0805 4620,4260 r90 bottom
C32 "0.10uF" 0805 4690,4260 r90 bottom
C33 "2.2uF" 0805 5807,3620 r0 top
C34 "0.1uF" 1210 6470,2720 r90 top
C35 "0.10uF" 0805 5260,4070 r180 bottom
C36 "0.10uF" 0805 5260,4000 r180 bottom
C37 "10uF" 0805 5260,4140 r180 bottom
C38 "1.0uF" 0805 8580,3820 r180 top
C39 "0.010uF" 0805 8580,3910 r0 top
C40 "0.010uF" 0805 8800,4110 r180 top
C41 "10UF 25V" 1206 7840,3480 r0 top value=10uF
C42 "10UF 25V" 1206 7840,3380 r0 top value=10uF
C43 "0.1uF 25V" 0805 7893.49,3272.69 r270 top value=0.1uF
C44 "0.1uF 25V" 0805 8350,3050 r270 top value=0.1uF
C45 "0.1uF 25V" 0805 7800,3140 r270 top value=0.1uF
C46 "0.010uF" 0805 8860,3760 r0 top
CHRG "Test Point (Via)" TP 4330,4640 r90 top (schematic designator TP9)
CSN "Test Point - 5019" TP380X203 5430,3630 r180 top (schematic designator TP13)
CSP "Test Point - 5019" TP380X203 4960,3620 r270 top (schematic designator TP12)
D1 "3SMBJ5929B-TP" SOD-123 5520,4700 r90 top
D2 "40V 3A" DO-214AC 6610,4130 r270 top
D7 "VS-5EWH06FN-M3" "DPAK (TO-252)" 6260,2660 r180 top
D8 "3SMBJ5929B-TP" DO-214AA 7170,3170 r270 bottom
D9 "MMSZ4684T1G" ONSC-SOD-123-2-425-04_V 8810,3920 r0 top
D10 "DIODE TVS CPDV5-3V3UP" SOT65P230X110-5N 8800,4020 r0 top
D11 "SD560BTR" DO-214AA 8500,2550 r90 top
D12 "SM5817PL-TP" SOD-123 8130,3010 r180 top
D13 "SD560BTR" DO-214AA 7860,2550 r90 top
D14 "SM5817PL-TP" SOD-123 7720,3110 r90 top